# Altium PCB THS4302_2-4.PcbDoc
Units mil, origin at the board's own origin, x right, y up, seen from the top; angles counter-clockwise.
Board outline 1605.03 x 1390.03 mil, 4 copper layers (Component Side, Ground Plane 1, Ground Plane 2, Solder Side), stack 33.234 mil thick; 23 components, 11 nets, 73 pads, 58 vias.
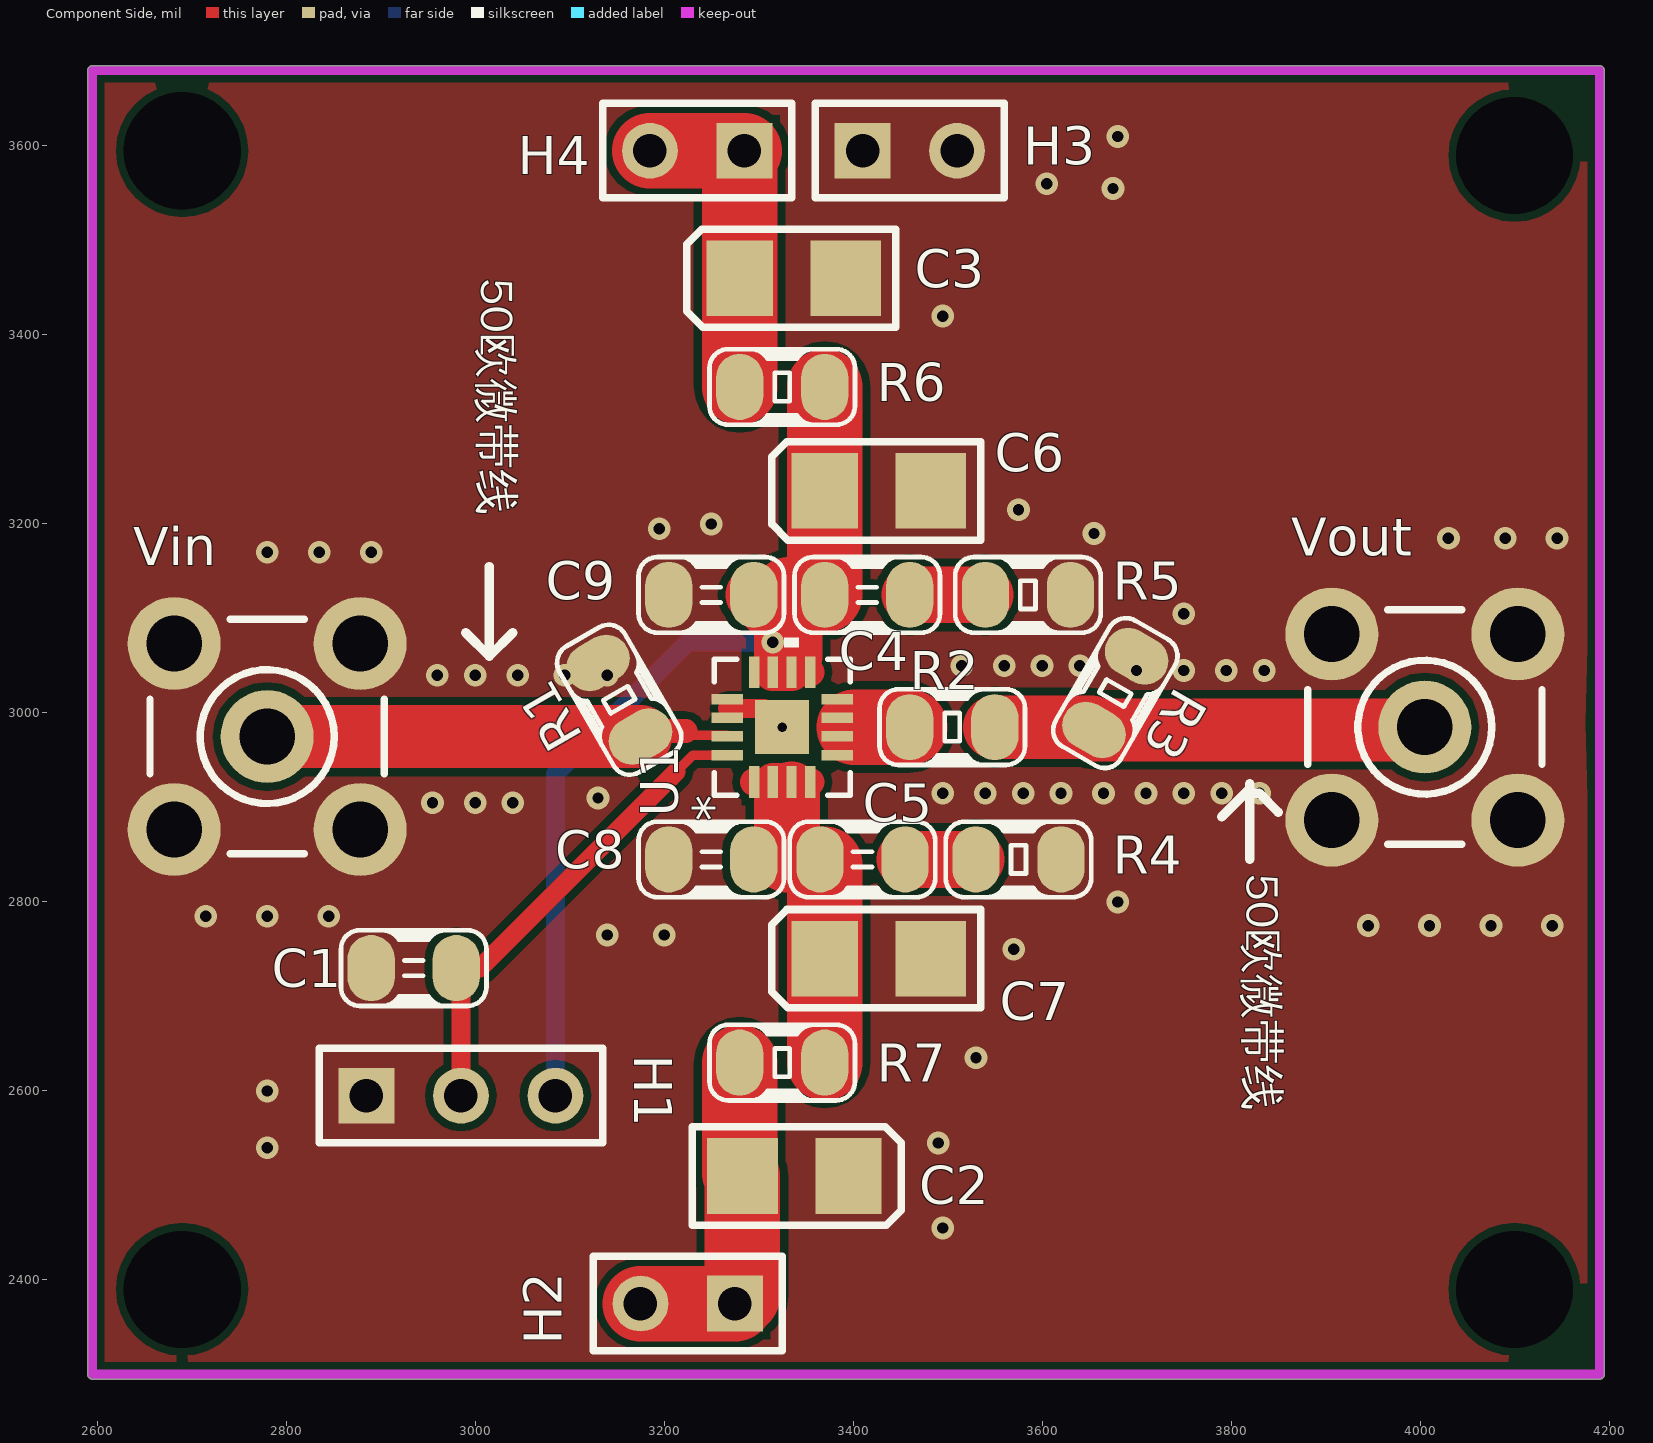
[diagram p0: Component Side view]
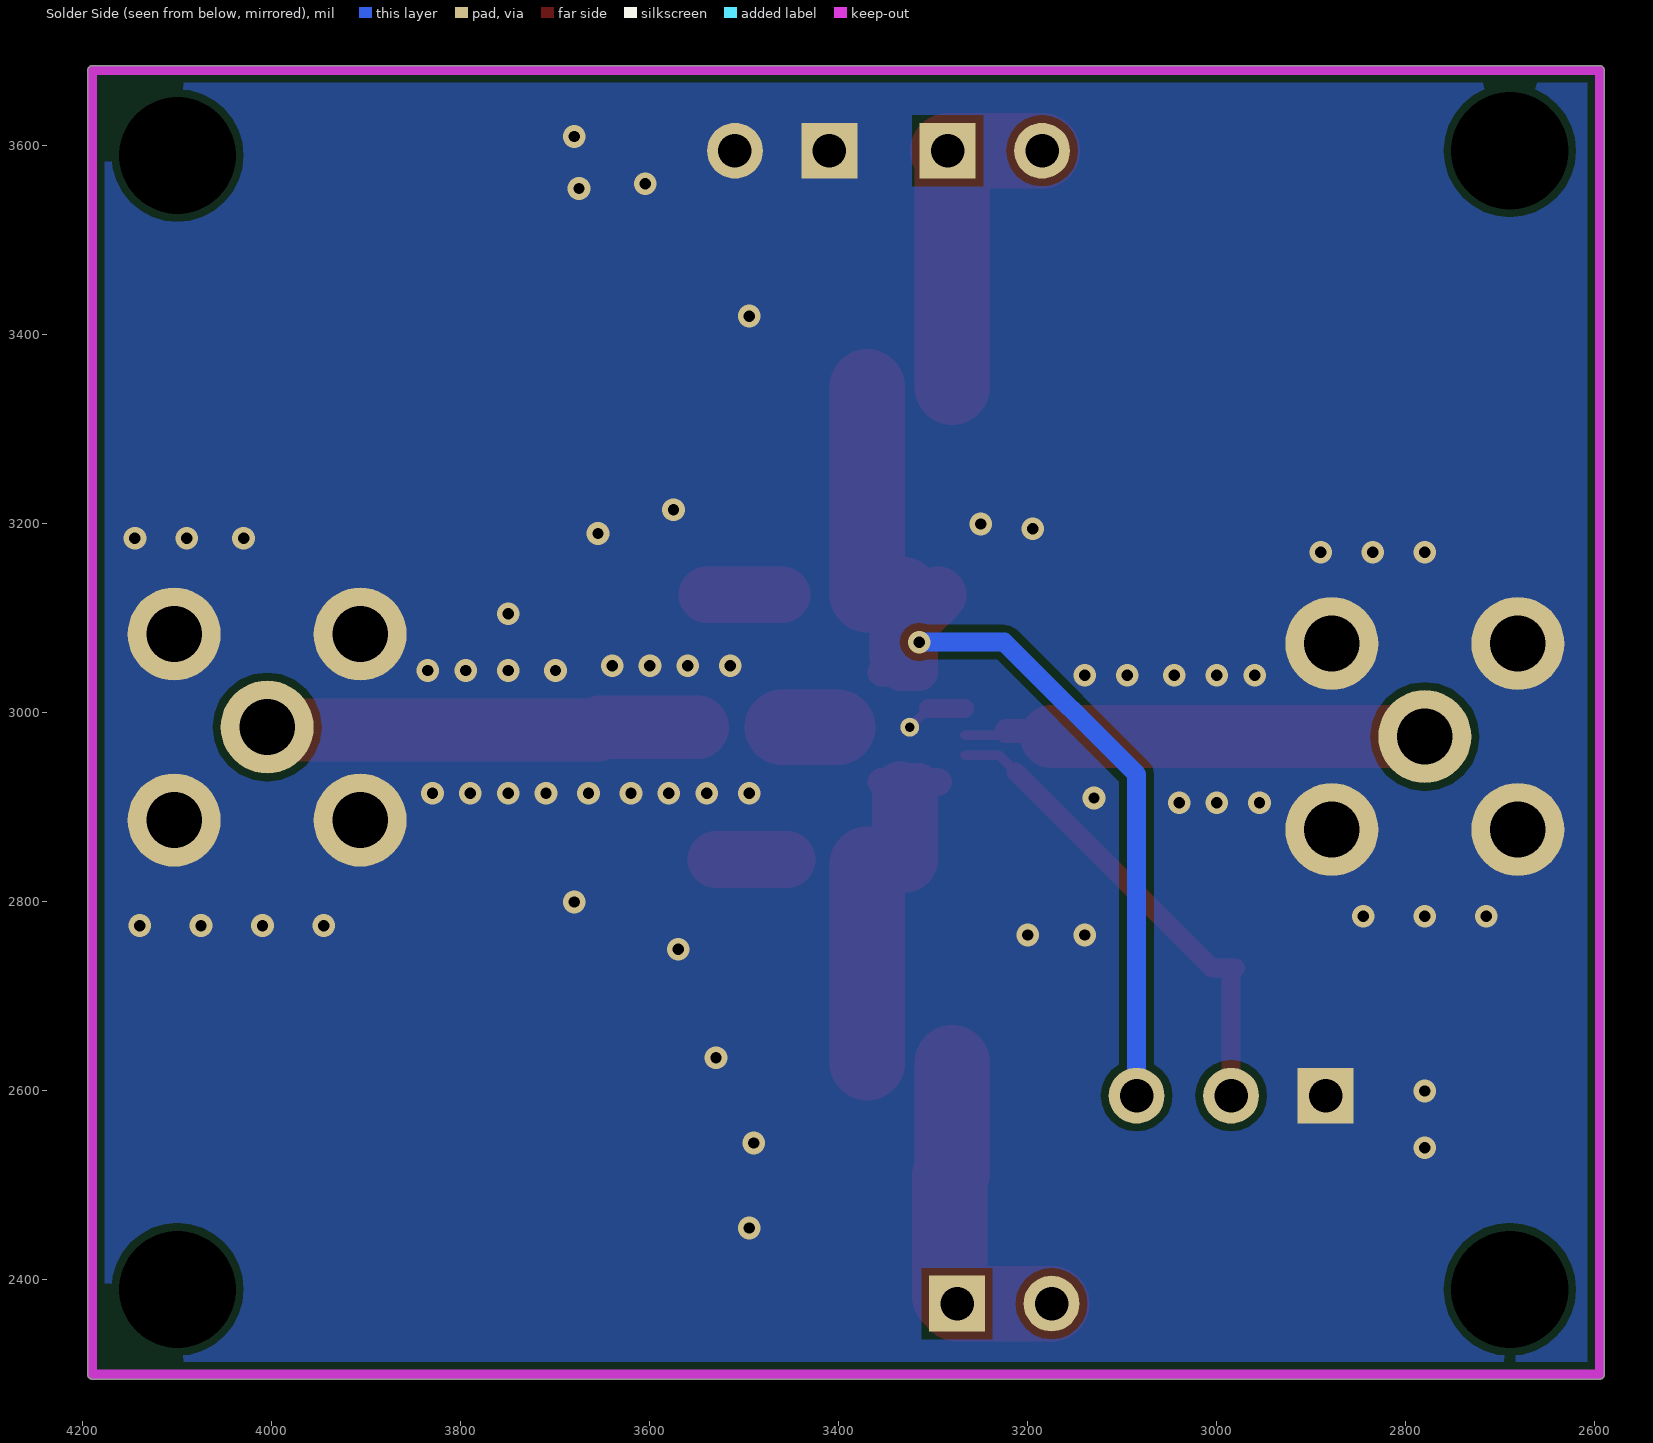
[diagram p1: Solder Side view, seen from below]
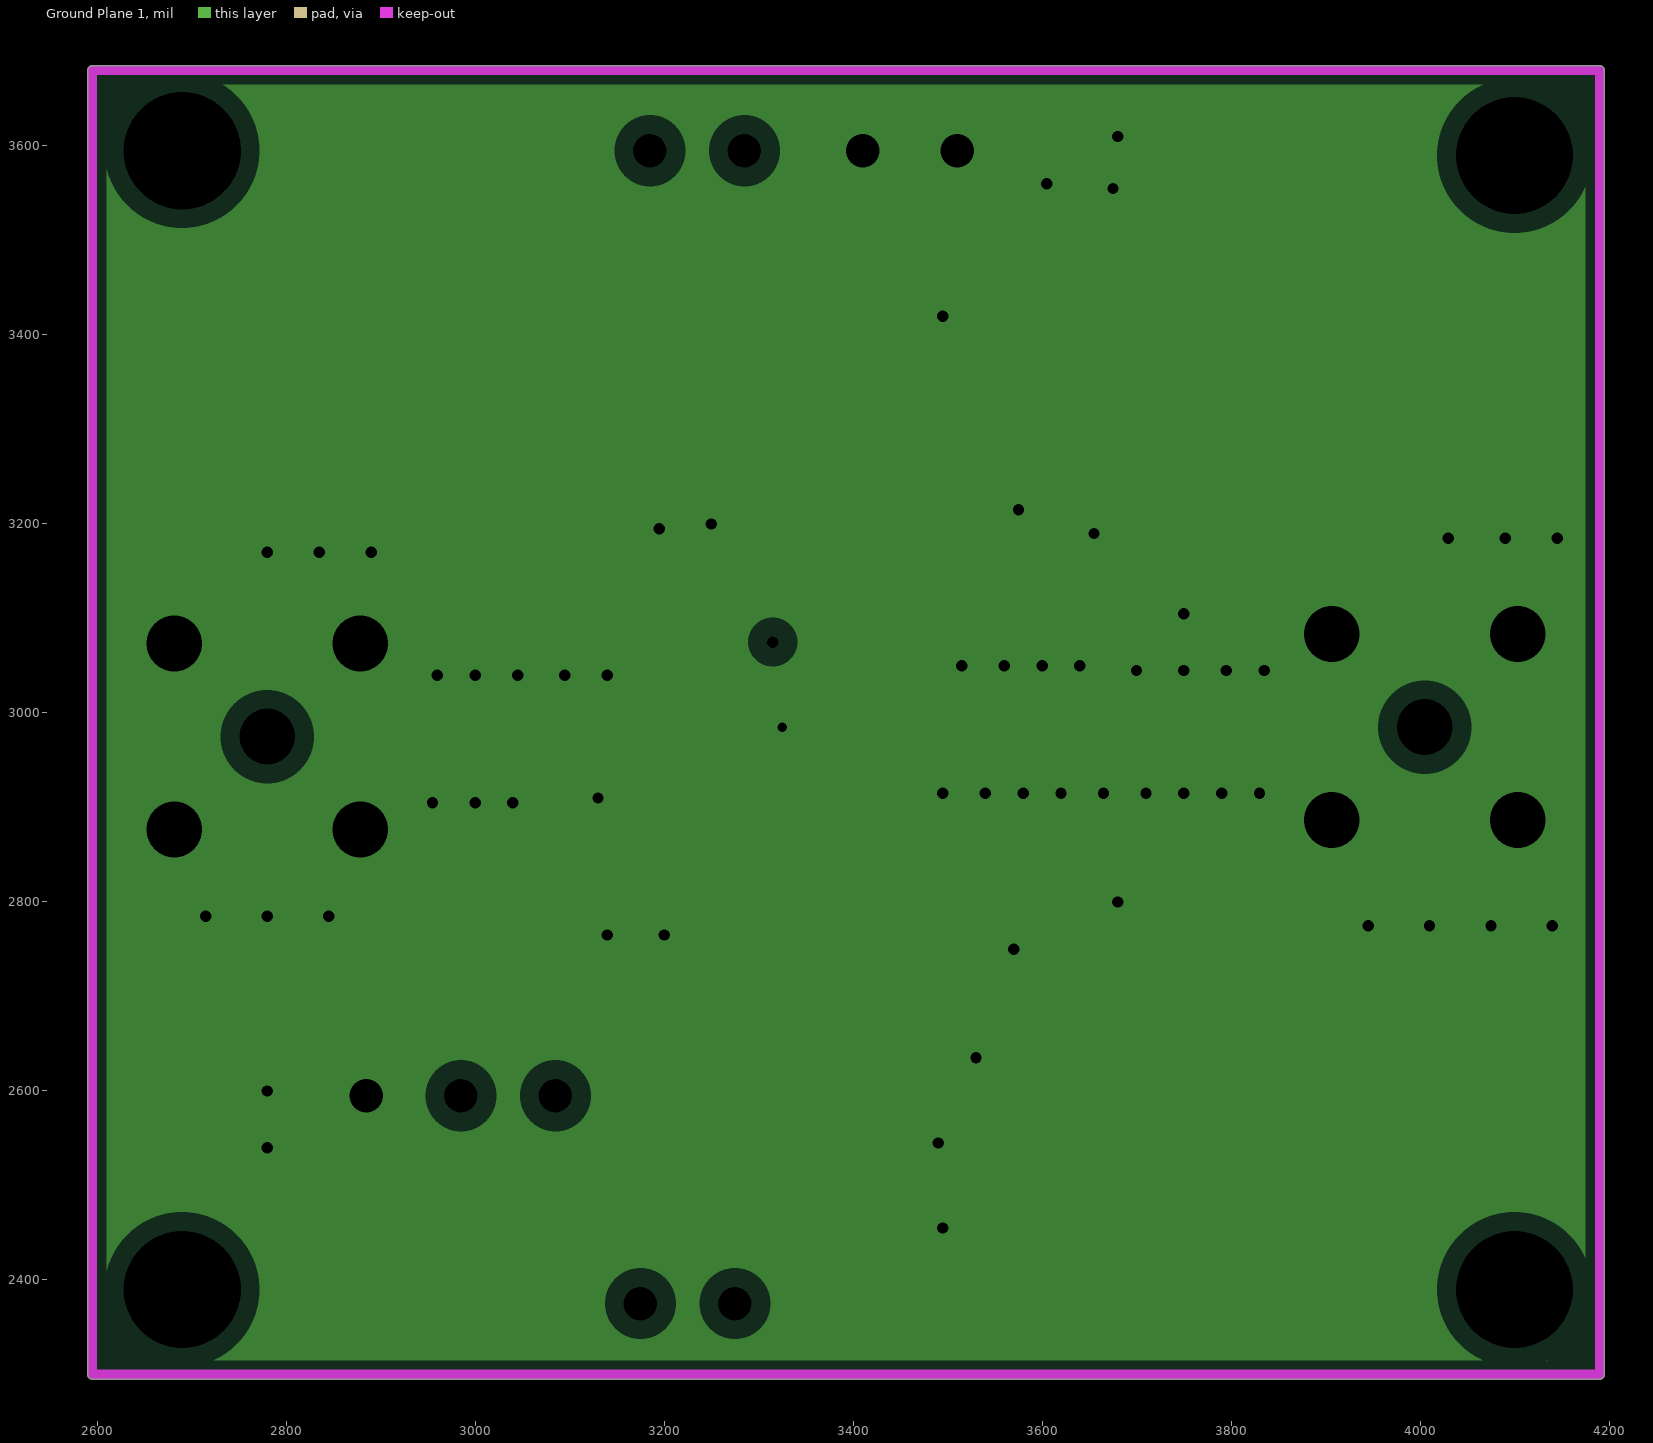
[diagram p2: Ground Plane 1, clearances drawn from the general rule]
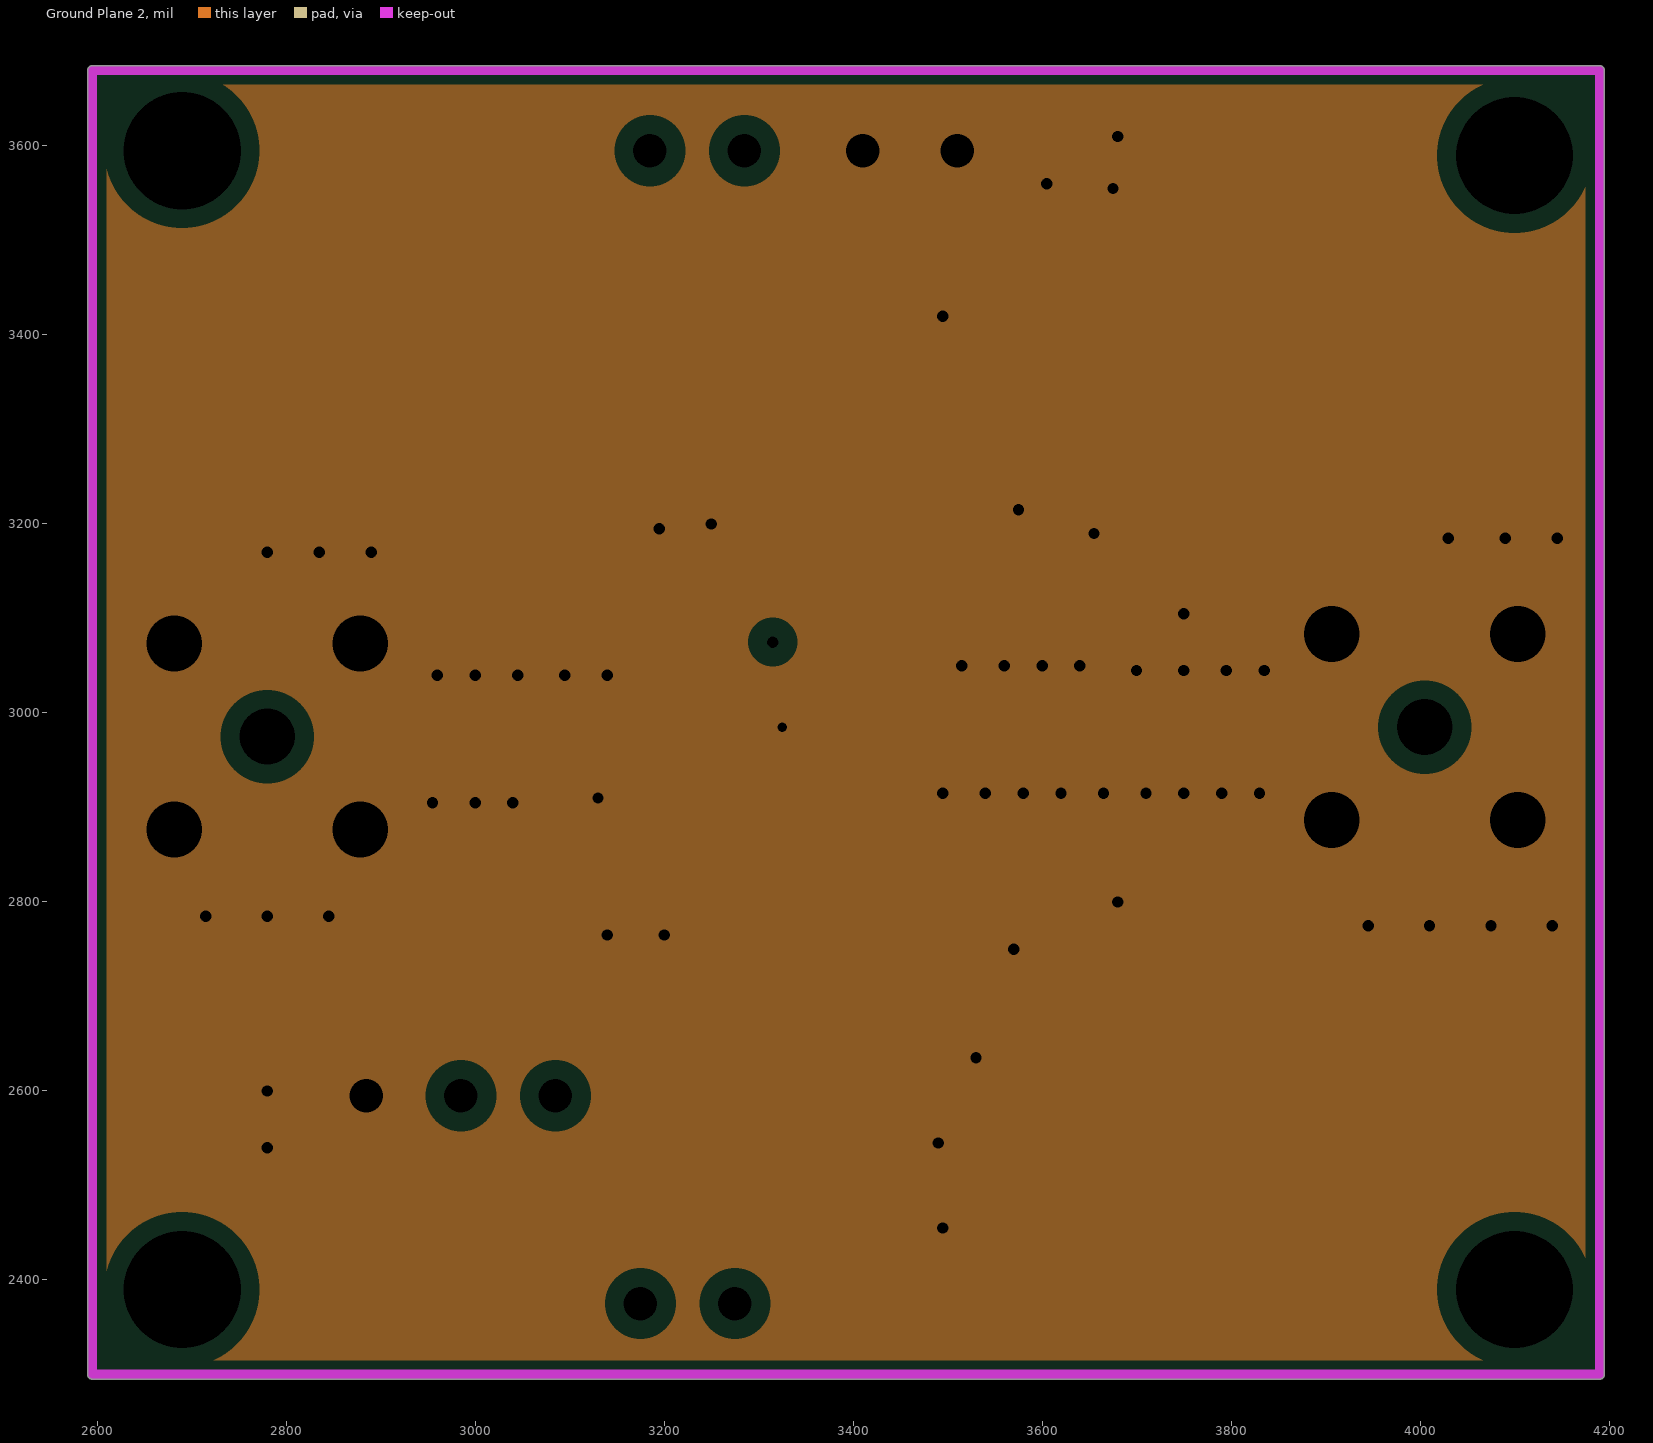
[diagram p3: Ground Plane 2, clearances drawn from the general rule]
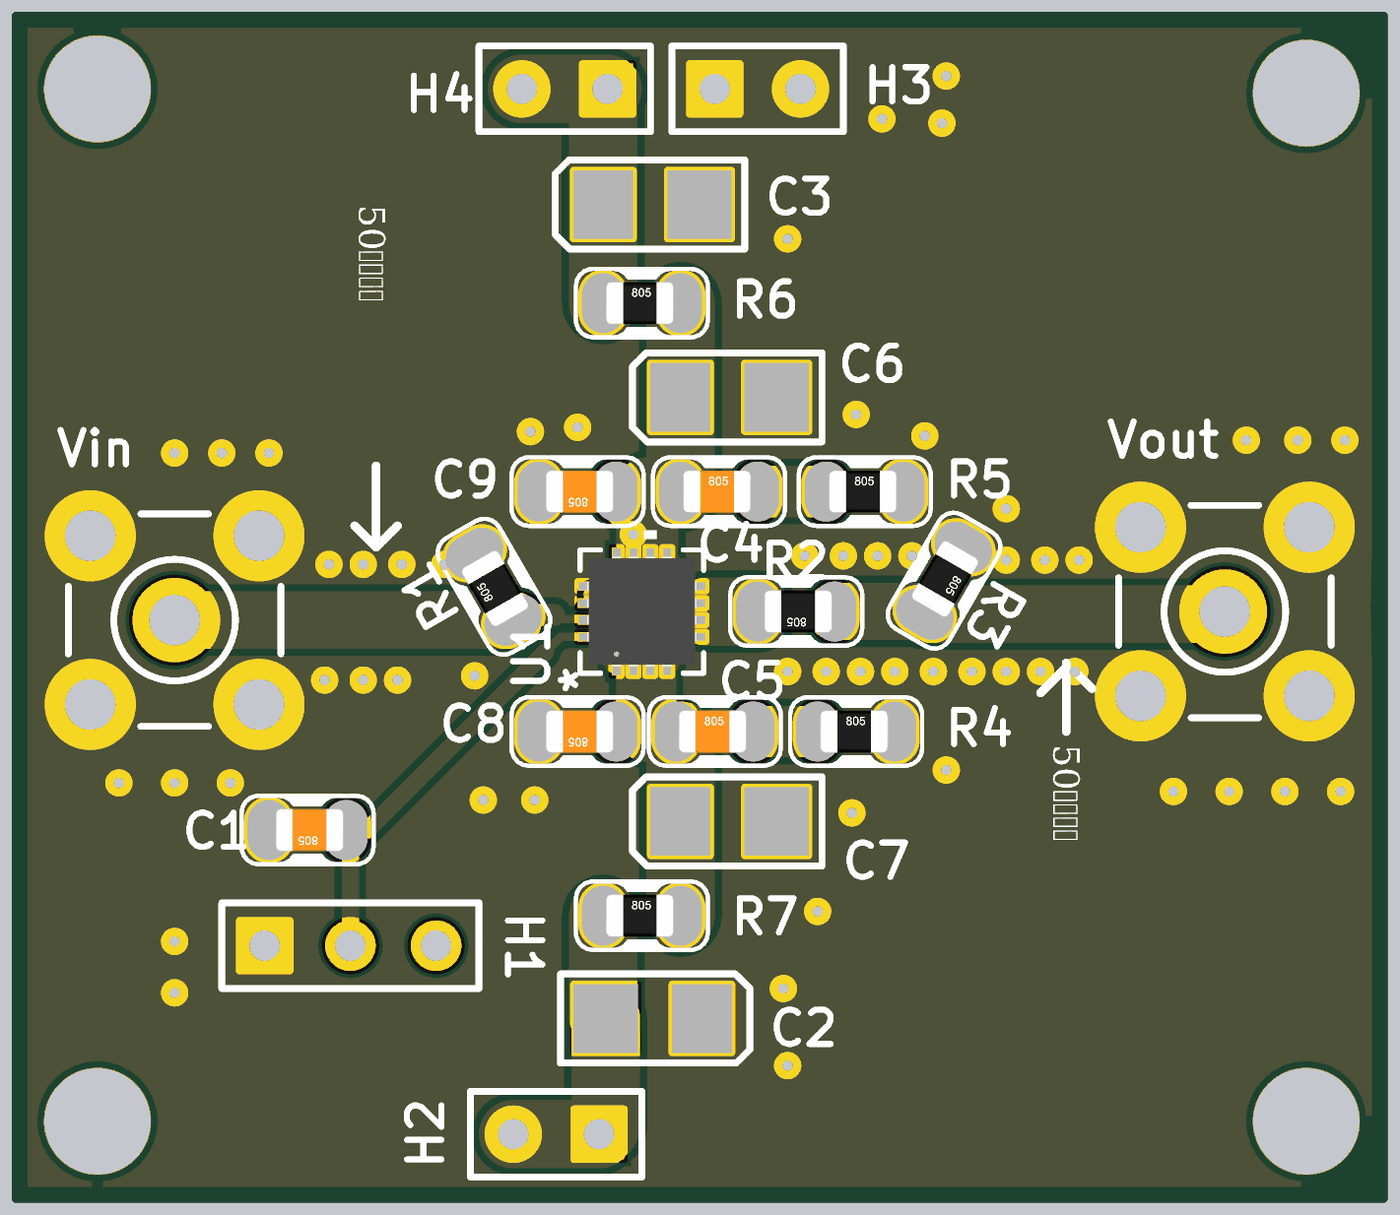
[diagram p4: 3D render of the assembled board from above, using the file's embedded part models]

## Layer stack, top to bottom
Top Solder: solder mask 0.4, Solder Resist, Dk 3.5
Component Side: signal copper 1.4
Dielectric 1: core 12.6, FR-4, Dk 4.8
Ground Plane 1: plane copper 1.417, net GND
Dielectric 3: prepreg 5, Dk 4.2
Ground Plane 2: plane copper 1.417, net GND
Dielectric 4: core 10, Dk 4.2
Solder Side: signal copper 1.4
Bottom Solder: solder mask 0.4, Solder Resist, Dk 3.5

## Board outline
2589.99,2300 ccw(c2595,2300) 2595,2294.99 4190,2294.99 ccw(c4190,2300) 4195.02,2300 4195.02,3680 ccw(c4190,3680) 4190,3685.01 2595,3685.01 ccw(c2595,3680) 2589.99,3680

## Design rules (kind name [scope] priority, off if disabled: settings)
Clearance [All] p1: gap=8
PlaneClearance [All] p1: clearance=20
PlaneConnect [All] p1: planeconnectstyle=Relief reliefexpansion=20 reliefentries=4 reliefconductorwidth=25 reliefairgap=10
PolygonConnect [All] p1: connectstyle=Direct reliefconductorwidth=20 reliefentries=4 polygonreliefangle="90 Angle" airgapwidth=10
RoutingVias [All] p1: holewidth=28 width=50 viastyle="Through Hole" minholewidth=28 minwidth=50 maxholewidth=28 maxwidth=50
SolderMaskExpansion [All] p1: expansion=4
Width GND [InNet('GND')] p1: maxlimit=80 minlimit=10 preferedwidth=10 minimp=50.000000 maximp=50.000000 favimp=50.000000
Width VS [InNetClass('VS')] p2: maxlimit=80 minlimit=10 preferedwidth=60 minimp=50.000000 maximp=50.000000 favimp=50.000000
Width [All] p3: maxlimit=80 minlimit=10 preferedwidth=10 minimp=50.000000 maximp=50.000000 favimp=50.000000
28 further rules are at their usual default settings.

## Classes and differential pairs
net class VS: NetC4_2 NetC5_2 VCC VS+ VS- VSS

## Components (designator, comment, footprint, x,y, rotation, side; value= is the part's Value field where it differs from the comment)
C1 "Cap" 0805C 2980,2730 r180 top
C2 "Cap Pol1" CAP_SMD_3216 3395,2510 r180 top
C3 "Cap Pol1" CAP_SMD_3216 3280,3460 r0 top
C4 "Cap" 0805C 3370,3125 r0 top
C5 "Cap" 0805C 3365,2845 r0 top
C6 "Cap" CAP_SMD_3216 3370,3235 r0 top
C7 "Cap" CAP_SMD_3216 3370,2740 r0 top
C8 "Cap" 0805C 3295,2845 r180 top
C9 "Cap" 0805C 3295,3125 r180 top
H1 "Header 3" HDR1X3 2885,2595 r0 top
H2 "Header 2" HDR1X2 3275,2375 r180 top
H3 "Header 2" HDR1X2 3410,3595 r0 top
H4 "Header 2" HDR1X2 3285,3595 r180 top
R1 "Res2" 0805R 3175,2975 r120 top
R2 "Res2" 0805R 3550,2985 r180 top
R3 "Res2" 0805R 3700,3060 r240 top
R4 "Res2" 0805R 3530,2845 r0 top
R5 "Res2" 0805R 3540,3125 r0 top
R6 "Res2" 0805R 3280,3345 r0 top
R7 "Res2" 0805R 3280,2630 r0 top
U1 "THS4302_RGT_16" RGT16_1P45X1P45 3325,2985 r90 top
Vin "SMB" SMB_V-RJ45 2780,2975 r0 top (schematic designator P1)
Vout "SMB" SMB_V-RJ45 4005,2985 r0 top (schematic designator P2)

## Footprints (in the part's own frame and the unit in brackets; to place one, negate y for a bottom-side part, rotate by r counter-clockwise, add the part's x,y. Pads: shape width x height; smd on the part's side, far side on the other; paste and mask are expansions set on the pad)
0805C [mil] "0805封装电容"
  oval 50x70 smd: 1(0,0) 2(90,0)
  silkscreen extent -32,-40 122,40, body extent 3,-25 82,25, height 30
0805R [mil] "0805封装电阻"
  oval 50x70 smd: 1(0,0) 2(90,0)
  silkscreen extent -32,-40 122,40, body extent 3,-25 82,25, height 30
CAP_SMD_3216 [mil] "贴片钽电容，10uF"
  rect 70x80 smd: 1(0,0)
  rect 75x80 smd: 2(112.2,0)
  silkscreen extent -56,-52 165,52, body extent -11,-35 123,35, height 63
HDR1X2 [mm] "Connector; Header; 2 Position"
  rect 1.5x1.5 hole 0.9: 1(0,0)
  round 1.5 hole 0.9: 2(2.54,0)
  silkscreen extent -1.27,-1.27 3.81,1.27
HDR1X3 [mm] "Connector; Header; 3 Position"
  rect 1.5x1.5 hole 0.9: 1(0,0)
  round 1.5 hole 0.9: 2(2.54,0) 3(5.08,0)
  silkscreen extent -1.27,-1.27 6.35,1.27
RGT16_1P45X1P45 [mm]
  rect 0.85x0.28 smd paste-0.412: 1(-1.475,0.75) 2(-1.475,0.25) 3(-1.475,-0.25) 4(-1.475,-0.75) 9(1.475,-0.75) 10(1.475,-0.25) 11(1.475,0.25) 12(1.475,0.75)
  rect 0.28x0.85 smd paste-0.412: 5(-0.75,-1.475) 6(-0.25,-1.475) 7(0.25,-1.475) 8(0.75,-1.475) 13(0.75,1.475) 14(0.25,1.475) 15(-0.25,1.475) 16(-0.75,1.475)
  rect 1.45x1.45 smd paste-0.712 mask-0.711: 17(0,0)
  round 0.508 / inner round 1.524 / far side round 0.508 hole 0.254: V(0,0)
  silkscreen extent -1.83,-1.83 2.41,1.83, body extent -1.63,-1.63 1.63,1.63, height 1
SMB_V-RJ45 [mm] "Connector; SMB Straight"
  round 2.5 hole 1.5: 1(0,0) 2(-2.5,-2.5) 2(-2.5,2.5) 2(2.5,-2.5) 2(2.5,2.5)
  silkscreen extent -3.15,-3.15 3.15,3.15

## Part data
C1 C4 C5 C6 C7 C8 C9: "Capacitor"
C2 C3: "Polarized Capacitor (Radial)"
H1: "Header, 3-Pin"
H2 H3 H4: "Header, 2-Pin"
R1 R2 R3 R4 R5 R6 R7: "Resistor"
U1: "Imported"
Vin Vout: "SMB Straight Connector"

## Free pads (board coordinates)
  round 60 hole 124.02: 2(4100,3590) 3(2690,3595) 4(2690,2390) 5(4100,2390)

## Via types
v1: diameter 24, hole 12, Component Side to Solder Side, 58 vias

## Nets (pads, with @x,y where several pads share a name; then routed paths per layer and width w, separated by ;. In a path a pad name is that pad's centre, name@x,y a point inside that pad or via, vN(x,y) a via of type N, cw(c..) or ccw(c..) an arc to the next point about the centre after c; other vN are vias at no path point)
GND: C1.2 C2.1 C3.2 C6.2 C7.2 C8.2 C9.2 H1.1 H3.1 H3.2 R1.2 R3.1 R4.2 R5.2 U1.13 U1.14 U1.17 U1.V Vin.2 Vout.2 | length 66.2
  Component Side w10: U1.17@3305.46,3004.54 U1.V
  Component Side w20: 3266.93,3004.54 U1.17@3305.46,3004.54
  other v1: 3495,2455 2780,2540 3490,2545 2780,2600 3530,2635 3570,2750 3140,2765 3200,2765 3945,2775 4010,2775 4075,2775 4140,2775 2715,2785 2780,2785 2845,2785 3680,2800 2955,2905 3000,2905 3040,2905 3130,2910 3495,2915 3540,2915 3580,2915 3620,2915 3665,2915 3710,2915 3750,2915 3790,2915 3830,2915 2960,3040 3000,3040 3045,3040 3095,3040 3140,3040 3700,3045 3750,3045 3795,3045 3835,3045 3515,3050 3560,3050 3600,3050 3640,3050 3750,3105 2780,3170 2835,3170 2890,3170 4030,3185 4090,3185 4145,3185 3655,3190 3195,3195 3250,3200 3575,3215 3495,3420 3675,3555 3605,3560 3680,3610
NetC4_2: C4.2 R5.1 | length 80
  Component Side w60: C4.2 R5.1
NetC5_2: C5.2 R4.1 | length 75
  Component Side w60: C5.2 R4.1
NetR2_2: R2.2 U1.5 U1.6 U1.7 U1.8 | length 129.5
  Component Side w10: U1.5 U1.6 ; U1.8 U1.7 U1.6 ; U1.6@3395,2975.16 U1.6
  Component Side w80: 3401.54,2985 R2.2
PD: C1.1 H1.2 U1.16 | length 520.9
  Component Side w10: C1.1 C1.1@2985,2725 ; 3210,2935 3230.47,2955.47 U1.16
  Component Side w20: C1.1 3005,2730 3212.5,2937.5 ; H1.2 C1.1@2985,2725
VCC: C4.1 C6.1 C9.1 H1.3 R6.2 U1.9 U1.10 U1.11 U1.12 | length 1079.7
  Component Side w30: U1.10 U1.9
  Component Side w40: C9.1@3315.16,3104.84 U1.11 U1.10
  Component Side w60: C9.1 C9.1@3315.16,3104.84
  Component Side w70: 3332.5,3060.41 3332.5,3125
  Component Side w80: 3332.5,3125 C4.1 C6.1 R6.2
  Solder Side w20: H1.3 3085,2935 3225,3075 v1(3315,3075)
VIN: R1.1 U1.15 Vin.1 | length 494.8
  Component Side w10: 3222.97,2980.97 3227.6,2976.33 U1.15@3266.93,2976.33
  Component Side w25: R1.1 3175,2980.97 3222.97,2980.97
  Component Side w66.93: Vin.1 R1.1
VOUT: R2.1 R3.2 Vout.1 | length 457.4
  Component Side w10: R3.2@3652.06,2985 R3.2 ; Vout.1@4002.06,2982.06 Vout.1
  Component Side w66.93: R2.1 R3.2@3652.06,2985 ; R3.2 Vout.1@4002.06,2982.06
VS+: C3.1 H4.1 H4.2 R6.1 | length 352.1
  Component Side w60: H4.1@3280,3590 H4.1
  Component Side w80: H4.2 H4.1 ; R6.1 C3.1 H4.1@3280,3590
VS-: C2.2 H2.1 H2.2 R7.1 | length 359.4
  Component Side w60: H2.1 H2.1@3282.8,2382.8 ; C2.2@3280,2512.8 C2.2
  Component Side w80: H2.2 H2.1 ; C2.2@3280,2512.8 R7.1 ; H2.1@3282.8,2382.8 C2.2
VSS: C5.1 C7.1 C8.1 R7.2 U1.1 U1.2 U1.3 U1.4 | length 344.7
  Component Side w30: U1.1 U1.2 ; U1.3 U1.4
  Component Side w40: U1.2 U1.3
  Component Side w60: 3334.84,2910 U1.3@3334.84,2918.46 ; C5.1 C5.1@3370,2840
  Component Side w70: 3330,2845 3330,2905.16
  Component Side w80: R7.2 C7.1 C5.1@3370,2840

## Polygon pours and split planes (outlines as drawn)
GND on Component Side "GND" (solid, pour order 8): 2595,3680 4190,3680 4175,2990 4190,2300 2595,2300
GND on Solder Side "GND" (solid, pour order 10): 2595,3680 4195.02,3680 4195.02,2300 2595,2300
GND on Ground Plane 1 (split plane): 4115,3605 4174.92,3605 4174.92,2360 4145,2360 4135,2350 4135,2315.08 2690,2315.08 2690,2390 2610.08,2390 2610.08,3585 2680,3585 2690,3595 2690,3664.92 4115,3664.92
GND on Ground Plane 2 (split plane): 4095,3560 4174.92,3560 4174.92,2380 4105,2380 4097.36,2315.08 2685,2315.08 2685,2390 2695,2400 2610.08,2400 2610.08,3585 2705,3585 2705,3664.92 4090.63,3664.92

## Keep-outs
Keep-Out Layer:
  lines w10: 2595,2300 2595,3680 4190,3680 4190,2300 2595,2300

## Other copper
Ground Plane 1 (plane layer: these items are gaps in the copper):
  pour cut-out: 4145,2360 4195.02,2360 4195.02,2300 4190,2294.99 4135,2294.99 4135,2350
  pour cut-out: 4100,3685.01 4190,3685.01 4190,3605.01 4190.02,3605 4115,3605 4115,3665 4100,3680
  pour cut-out: 2589.99,2410 2589.99,2300 2684.99,2300 2690,2294.99 2690,2390 2610,2390 2595,2405
  pour cut-out: 2595,3680 2690,3680 2690,3595 2680,3585 2590,3585
Ground Plane 2 (plane layer: these items are gaps in the copper):
  pour cut-out: 2589.99,2400 2695,2400 2685,2390 2685,2300 2589.99,2300
  pour cut-out: 4090,3680 4095.01,3685.01 4190,3685.01 4190,3565 4185,3560 4095,3560
  pour cut-out: 2595,3680 2705,3680 2705,3585 2594.99,3585 2589.99,3580
  pour cut-out: 4105,2380 4190,2380 4190,2300 4184.98,2294.99 4095,2294.99
Multi-Layer:
  pour cut-out: 4135,3680 4190,3680 4190,3615 4185,3620 4150,3620
  pour cut-out: 4150,2350 4185,2350 4190,2345 4190,2300 4145,2300

## Silkscreen, mask and mechanical layers (free items; w line width, h text height)
Top Overlay:
  lines w10: 2990,3085 3015,3060 ; 3015,3155 3015,3060 ; 3040,3085 3015,3060 ; 3790,2890 3820,2920 3820,2925 3820,2845 ; 3820,2915 3830,2915 3850,2895
  text "50欧微带线" at 2995,3460 h60 r270
  text "50欧微带线" at 3805,2830 h60 r270

## Text inside footprints (layer, text, board x,y; h text height)
U1: Top Overlay "*" at 3270.63,2885.2 h40 r90; Mechanical 13 "*" at 3270.63,2885.2 h40 r90